# Altium PCB PROC114E3_BRD.PcbDoc (part 9 of 18) (continued)
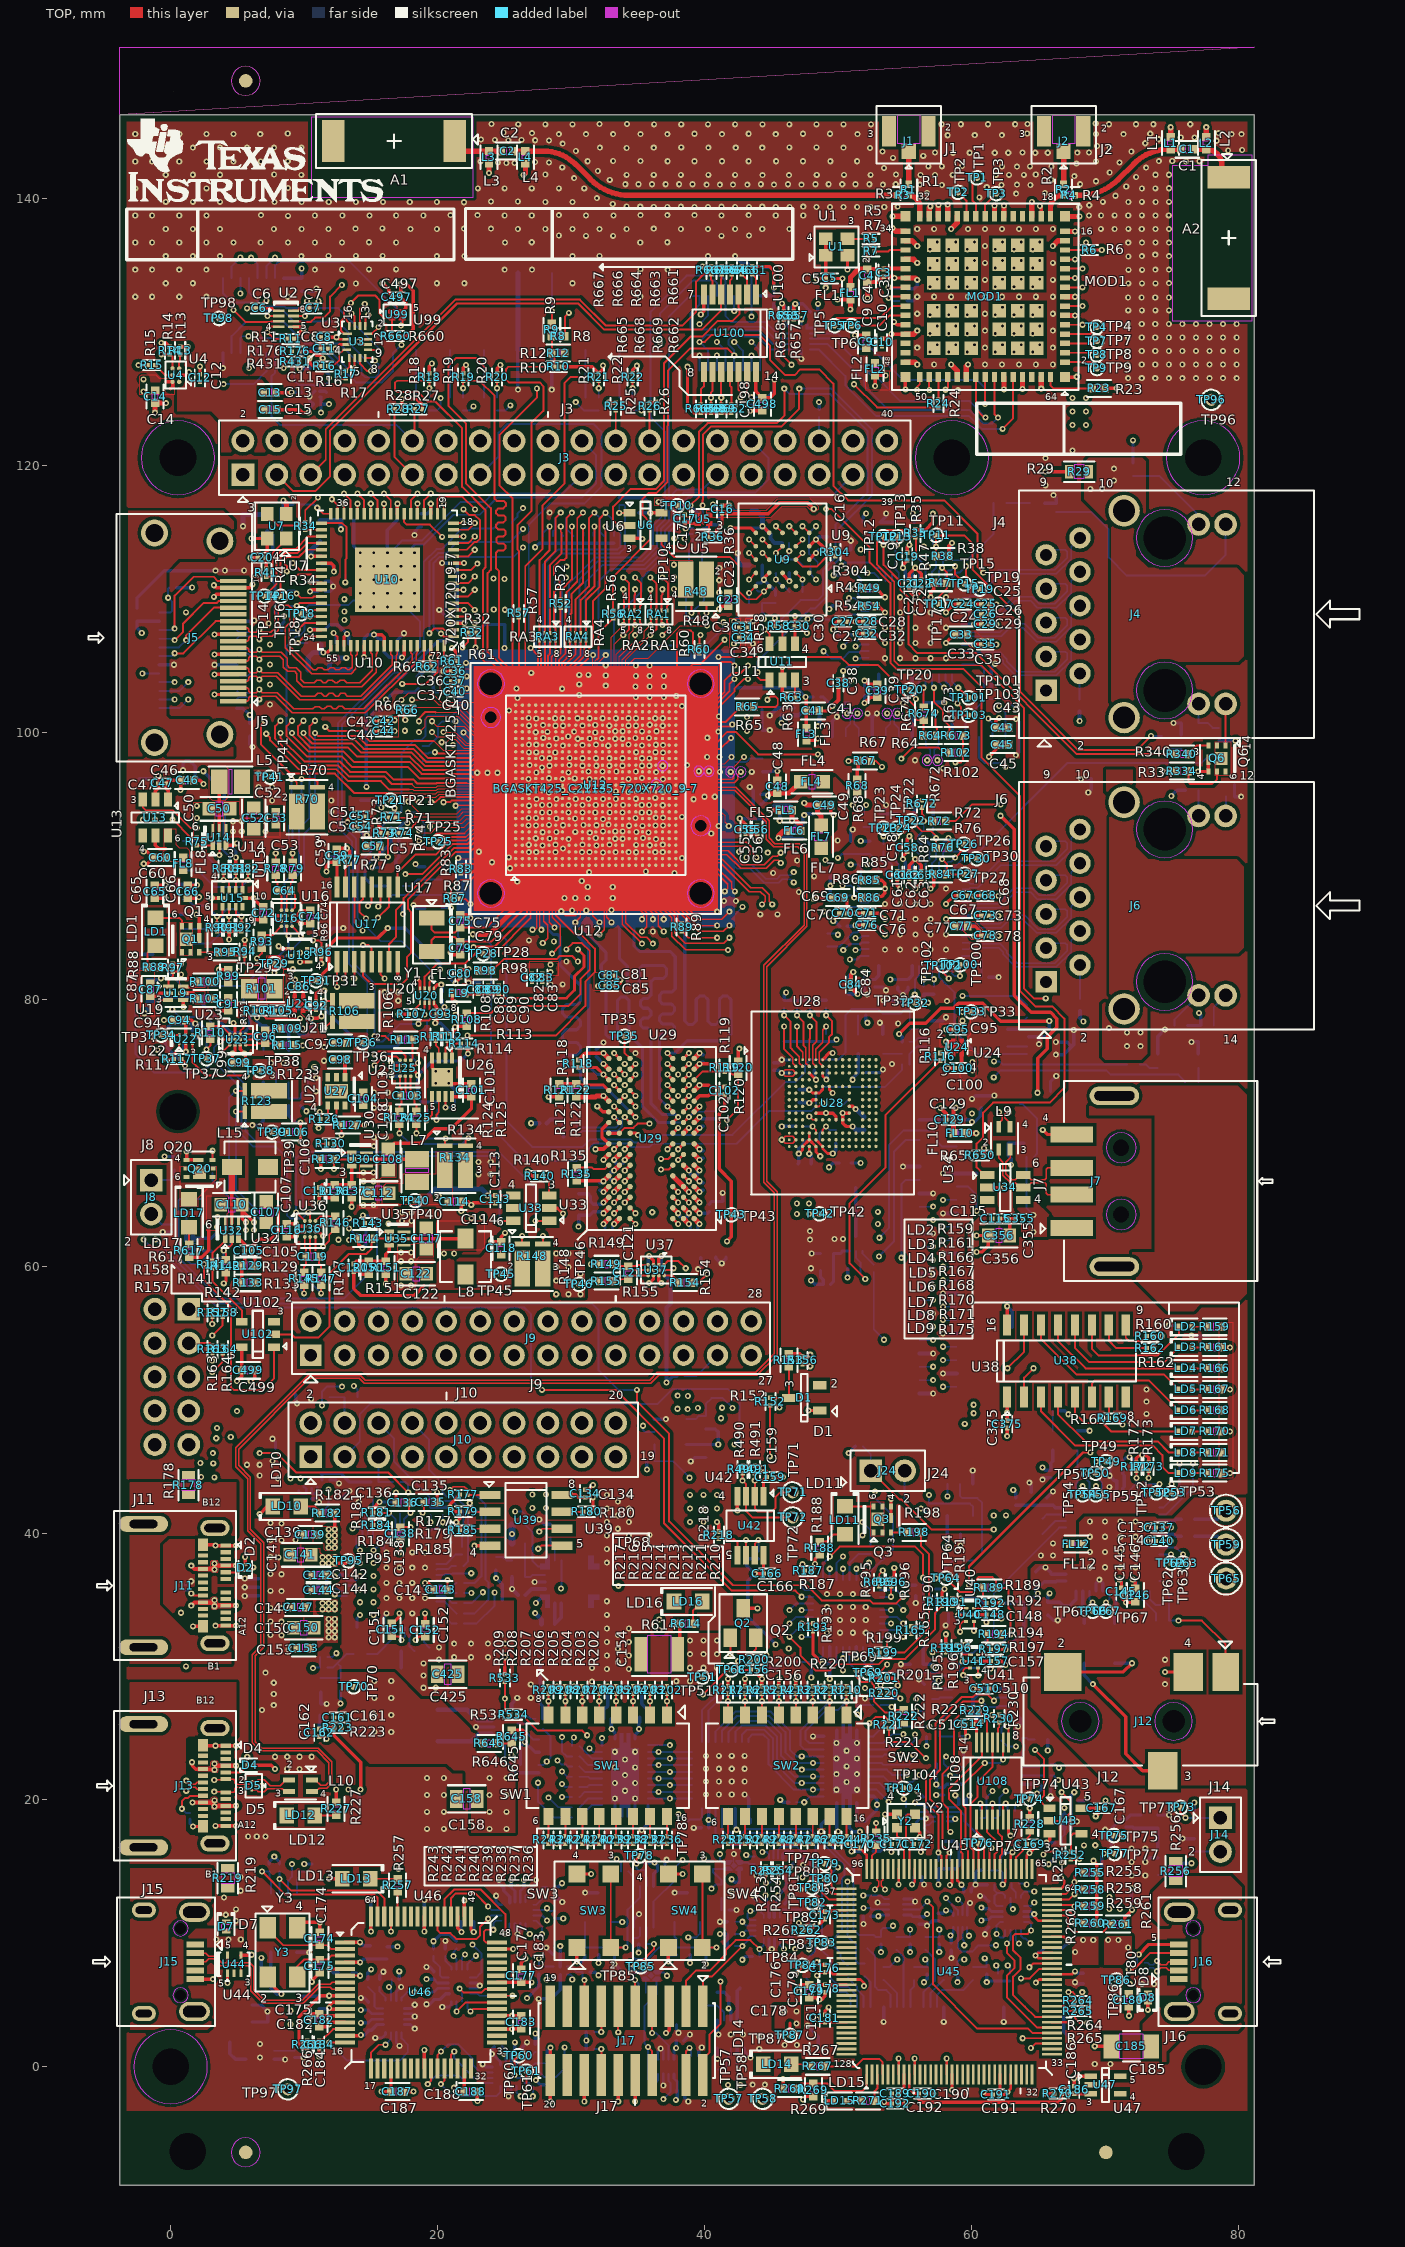
[diagram p0: TOP view]
## Nets (pads, with @x,y where several pads share a name; then routed paths per layer and width w, separated by ;. In a path a pad name is that pad's centre, name@x,y a point inside that pad or via, vN(x,y) a via of type N, cw(c..) or ccw(c..) an arc to the next point about the centre after c; other vN are vias at no path point) (continued)
  BOTTOM w0.147: v1(13.73,51.013) 14.017,50.726 14.017,50.175
MCU_RESETZ:  | length 134
  TOP w0.102: v1(27.423,94.999) 27.44,94.999 27.486,95.045 27.86,95.045
  TOP w0.147: v1(34.914,15.225) 34.914,15.575 35.135,15.797
  L03_SIG1 w0.091: v1(27.423,94.999) 27.328,94.905 26.378,94.905 25.137,93.664 18.816,93.664 17.975,92.823 17.975,90.759 13.57,86.354 13.57,83.607 13.56,83.596 13.56,83.545 10.931,80.916 10.931,76.73 10.125,75.924 10.125,74.943 8.573,73.391 8.573,60.982 7.333,59.742 7.333,49.912 8.411,48.834 8.411,43.843 10.36,41.895 13.351,41.895 16.17,39.075 19.076,39.075 19.623,38.528 19.623,32.577 17.87,30.824 17.87,10.706 21.474,7.102 25.091,7.102 26.246,5.947 28.397,5.947 30.067,7.617 30.067,8.033 31.927,9.893 31.927,12.238 v1(34.914,15.225)
  BOTTOM w0.147: v1(34.914,15.225) 34.914,14.869 35.042,14.741 35.531,14.741 35.531,14.354 35.683,14.201 35.683,13.541
MCU_SAFETY_ERRORZ_1V8:  | length 14.9
  TOP w0.102: 27.361,89.358 27.361,90.045
  TOP w0.147: 19.035,80.712 19.035,80.81 19.038,80.813 19.038,81.511 19.035,81.514 19.035,81.693 20.029,82.687 22.081,82.687 22.811,83.417 23.42,83.417 24.315,83.417 26.963,86.066 26.963,88.961 27.361,89.358
MCU_SAFETY_ERRORZ_3V3:  | length 39.3
  TOP w0.147: v1(19.035,78.852) 19.035,79.812
  L08_SIG2 w0.091: v1(19.035,78.852) 19.035,78.476 19.094,78.416 19.094,72.843 20.513,71.425 20.513,70.71 19.642,69.839 19.642,67.655 22.131,65.165 22.775,65.165 23.903,64.037 27.681,64.037 29.605,62.113 30.372,62.113 35.328,57.158 39.686,57.158 40.977,55.867
MCU_SPI0_CLK:  | length 67.9
  TOP w0.081: 22.01,92.441 22.615,93.045 25.861,93.045
  TOP w0.147: v1(19.376,91.882) 19.935,92.441 22.01,92.441
  L03_SIG1 w0.091: v1(13.367,61.961) 12.592,62.736 12.592,65.243 13.527,66.177 13.527,67.846 13.776,68.095 13.776,70.846 14.599,71.669 14.599,78.67 14.949,79.021 14.949,82.417 18.861,86.328 18.861,86.341 19.03,86.51 19.03,90.832 19.376,91.178 v1(19.376,91.882)
  L08_SIG2 w0.091: v1(13.367,61.961) 13.367,61.517 15.372,59.512 18.339,59.512 19.222,58.629 19.222,56.945 19.228,56.939 19.228,52.807 20.062,51.973 28.732,51.973 29.312,52.553 29.312,54.361 30.817,55.867
MCU_SPI0_CS1:  | length 50.4
  TOP w0.081: v1(18.614,92.656) 18.778,92.492 19.511,92.492 19.902,92.883 21.995,92.883 22.407,93.295 26.11,93.295 26.36,93.545
  L03_SIG1 w0.091: v1(12.579,61.981) 12.313,62.247 12.313,65.446 13.171,66.304 13.171,67.879 13.501,68.209 13.501,71.036 14.324,71.859 14.324,78.894 14.67,79.239 14.67,82.539 18.755,86.624 18.755,91.04 18.99,91.274 18.99,92.28 v1(18.614,92.656)
  L08_SIG2 w0.091: v1(12.579,61.981) 12.579,61.404 18.117,55.867
MCU_SPI0_D0:  | length 46.7
  TOP w0.102: 27.361,94.045 27.361,93.612 v1(27.386,93.587)
  L03_SIG1 w0.091: 15.577,55.867 15.577,64.427 15.579,64.429 15.579,64.741 15.577,64.743 15.577,65.332 16.753,66.507 16.753,70.4 17.105,70.752 17.105,76.436 16.678,76.863 16.678,82.085 20.076,85.484 20.076,85.498 20.105,85.527 20.105,90.261 22.295,92.451 27.309,92.451 27.742,92.884 27.742,93.231 v1(27.386,93.587)
MCU_SPI0_D1:  | length 46.7
  TOP w0.102: v1(26.827,93.587) 26.86,93.62 26.86,94.045
  L03_SIG1 w0.091: 13.037,55.867 13.959,56.788 13.959,64.682 14.666,65.39 14.926,65.39 15.66,66.124 15.66,70.679 15.828,70.847 15.828,73.412 16.041,73.626 16.041,79.336 15.662,79.715 15.662,81.735 19.69,85.763 19.69,90.392 22.298,93 26.24,93 v1(26.827,93.587)
MCU_UART0_CTS:  | length 11.2
  TOP w0.081: 22.315,92.034 22.826,92.545 25.861,92.545
  TOP w0.147: 17.012,88.415 17.012,89.518 18.335,90.841 19.869,90.841 20.936,91.907 22.188,91.907 22.315,92.034
MCU_UART0_CTS_3V3:  | length 92.4
  TOP w0.147: v1(15.559,86.954) 15.712,87.108 15.712,88.415
  L03_SIG1 w0.091: v1(15.559,86.954) 15.559,86.675 15.06,86.176 15.06,84.093 14.467,83.5 14.467,79.506 14.131,79.171 14.131,72.034 13.222,71.125 13.222,68.565 12.831,68.174 12.831,66.574 11.997,65.74 11.997,49.716 11.684,49.403 11.684,45.231 12.567,44.348 13.614,44.348 14.326,43.637 15.621,43.637 16.662,42.596 18.466,42.596 19.939,41.123 19.939,39.577 21.909,37.607 21.909,21.659 22.22,21.347 22.22,18.411 24.644,15.987 25.933,15.987 28.04,13.879 28.04,13.418 28.579,12.879 28.579,10.813 28.114,10.348 27.307,10.348 v1(26.913,9.954)
  BOTTOM w0.147: 26.598,10.741 26.598,10.268 v1(26.913,9.954)
MCU_UART0_CTS_CONN:  | length 39.7
  TOP w0.147: v1(15.533,86.116) 16.362,86.945 16.362,88.415
  L08_SIG2 w0.091: v1(15.533,86.116) 15.208,86.441 14.488,86.441 13.386,85.339 13.386,81.356 15.845,78.897 15.845,74.363 14.878,73.396 14.878,71.455 16.537,69.797 16.537,67.18 21.622,62.095 21.622,57.442 23.197,55.867
MCU_UART0_MUX_OE:  | length 1.9
  TOP w0.147: 13.112,88.415 13.112,89.841 13.425,90.154
MCU_UART0_MUX_SEL:  | length 30.4
  TOP w0.147: v1(12.462,80.932) 12.462,82.815
  L03_SIG1 w0.091: v1(11.088,70.343) 11.088,70.954 12.462,72.328 v1(12.462,80.932)
  L08_SIG2 w0.091: -1.448,63.908 2.775,68.131 9.511,68.131 11.088,69.708 v1(11.088,70.343)
  BOTTOM w0.147: -1.448,63.908 -0.661,63.122 0.053,63.122
MCU_UART0_RTS:  | length 15.7
  TOP w0.081: 22.957,92.295 26.11,92.295 26.36,92.545
  TOP w0.147: v1(14.797,86.987) 14.816,86.987 15.062,87.234 15.062,88.415 ; v1(17.591,89.379) 18.842,89.379 21.091,91.628 22.246,91.628 22.913,92.295 22.957,92.295
  L08_SIG2 w0.091: v1(14.797,86.987) 14.797,87.442 16.776,89.421 17.549,89.421 v1(17.591,89.379)
MCU_UART0_RTS_3V3:  | length 93.3
  TOP w0.147: 13.762,88.415 13.762,85.779 v1(14.39,85.151)
  L03_SIG1 w0.091: v1(14.39,85.151) 13.956,84.717 13.956,82.508 13.386,81.938 13.386,81.38 13.695,81.071 13.695,72.144 11.828,70.277 11.828,69.356 9.912,67.44 9.912,61.435 8.004,59.527 8.004,50.098 8.99,49.112 8.99,45.385 11.058,43.317 11.215,43.317 11.8,42.733 14.265,42.733 15.926,41.072 16.713,41.072 17.805,39.98 18.991,39.98 21.402,37.568 21.402,32.991 20.792,32.381 20.792,22.229 21.834,21.187 21.834,18.207 26.024,14.017 26.024,13.148 v1(28.203,10.968)
  BOTTOM w0.147: 27.198,11.341 27.83,11.341 v1(28.203,10.968)
MCU_UART0_RTS_CONN:  | length 45.5
  TOP w0.147: 14.412,88.415 14.412,87.487 14.145,87.22 14.145,86.564 v1(14.644,86.065)
  L08_SIG2 w0.091: v1(14.644,86.065) 15.025,85.684 15.025,80.732 16.292,79.466 16.292,77.065 16.913,76.443 16.913,71.004 17.586,70.331 17.586,66.741 27.217,57.109 31.41,57.109 31.991,56.528 31.991,54.501 30.817,53.327
MCU_UART0_RX_3V3:  | length 90.1
  TOP w0.147: v1(12.943,81.544) 13.112,81.714 13.112,82.815
  L03_SIG1 w0.091: v1(12.943,81.544) 13.502,80.985 13.502,72.224 8.959,67.681 8.959,60.822 7.766,59.629 7.766,50.064 8.797,49.032 8.797,44.897 9.356,44.338 9.356,43.923 10.205,43.075 11.153,43.075 11.824,42.403 13.451,42.403 16.336,39.519 19.179,39.519 21.209,37.488 21.209,33.071 20.599,32.461 20.599,22.149 21.641,21.107 21.641,16.203 26.405,11.439 26.405,9.93 26.757,9.578 27.451,9.578 v1(27.827,9.954)
  BOTTOM w0.147: 27.198,10.941 27.411,10.941 27.827,10.526 v1(27.827,9.954)
MCU_UART0_RXD:  | length 21.4
  TOP w0.081: 23.194,91.795 26.11,91.795 26.36,92.045
  TOP w0.147: 14.412,82.815 14.412,81.776 15.051,81.138 17.311,81.138 17.729,81.556 17.729,83.177 18.01,83.458 18.01,86.561 17.794,86.777 17.794,87.488 21.35,91.044 22.442,91.044 23.194,91.795
MCU_UART0_RXD_CONN:  | length 34.6
  TOP w0.147: v1(13.762,81.557) 13.762,82.815
  L08_SIG2 w0.091: v1(13.762,81.557) 16.038,79.282 16.038,74.259 15.894,74.116 15.894,70.744 16.771,69.867 16.771,67.226 22.036,61.961 22.036,59.778 24.613,57.201 24.613,54.451 25.737,53.327
MCU_UART0_TX_3V3:  | length 89.6
  TOP w0.147: v1(14.416,84.059) 14.822,84.059 15.062,83.818 15.062,82.815
  L03_SIG1 w0.091: v1(14.416,84.059) 14.162,83.805 14.162,79.639 13.938,79.416 13.938,72.114 12.055,70.231 12.055,69.287 10.686,67.918 10.686,60.991 8.197,58.503 8.197,50.178 9.183,49.192 9.183,45.465 10.493,44.155 13.375,44.155 14.376,43.155 15.418,43.155 17.577,40.996 18.248,40.996 21.675,37.568 21.675,21.619 22.027,21.267 22.027,18.331 24.564,15.794 25.211,15.794 26.963,14.042 26.963,13.123 v1(28.203,11.883)
  BOTTOM w0.147: 27.198,11.741 28.061,11.741 v1(28.203,11.883) 28.412,11.674 28.8,11.674
MCU_UART0_TXD:  | length 15.5
  TOP w0.081: 22.976,91.984 23.037,92.045 25.861,92.045
  TOP w0.147: 16.362,82.815 16.362,84.135 16.878,84.651 16.878,86.674 17.467,87.262 17.467,87.583 21.239,91.355 22.347,91.355 22.976,91.984
MCU_UART0_TXD_CONN:  | length 41.4
  TOP w0.147: 15.712,82.815 15.712,81.882 v1(16.038,81.557)
  L08_SIG2 w0.091: v1(16.038,81.557) 16.485,81.11 16.485,77.145 17.153,76.477 17.153,71.092 17.779,70.466 17.779,66.861 27.285,57.355 33.349,57.355 34.646,56.058 34.646,54.615 33.357,53.327
MFP0:  | length 2.8
  TOP w0.147: v1(72.379,44.129) 72.379,44.688
  BOTTOM w0.147: 71.851,42.652 71.851,43.183 72.379,43.711 v1(72.379,44.129) 72.379,44.688
MFP1:  | length 3
  TOP w0.147: v1(73.293,44.129) 73.293,44.688
  BOTTOM w0.147: 72.351,42.652 72.351,43.174 73.293,44.117 v1(73.293,44.129) 73.293,44.688
MFP2:  | length 2.8
  TOP w0.147: 73.877,43.01 73.877,43.442 v1(74.106,43.67)
  BOTTOM w0.147: 72.851,42.652 72.851,43.197 73.324,43.67 v1(74.106,43.67)
MFP3:  | length 2.9
  TOP w0.147: 74.995,43.01 74.995,43.645 v1(75.02,43.67)
  BOTTOM w0.147: 73.351,42.652 73.351,42.918 73.648,43.216 74.566,43.216 v1(75.02,43.67)
MIC_IN:  | length 10.6
  TOP w0.147: v1(75.528,33.433) 77.284,33.433 79.066,31.651 79.066,29.587
  BOTTOM w0.147: 74.101,36.402 74.67,36.402 74.817,36.254 74.817,34.605 74.817,33.433 v1(75.528,33.433)
MMC0_CLK:  | length 32.8
  TOP w0.102: 38.292,85.125 38.806,84.611 v1(40.959,84.611)
  TOP w0.14: 48.86,69.973 48.86,70.222 v1(49.11,70.472)
  L03_SIG1 w0.091: v1(40.959,84.611) 40.959,83.827 42.076,82.709 42.076,69.581 42.711,68.946 44.428,68.946 44.566,69.084 44.566,69.366 44.705,69.505 44.9,69.505 45.039,69.366 45.039,69.084 45.177,68.946 46.44,68.946 46.563,69.068 46.563,69.56 46.685,69.682 46.859,69.682 46.982,69.56 46.982,69.068 47.105,68.946 47.278,68.946 47.401,69.068 47.401,69.56 47.524,69.682 47.697,69.682 47.82,69.56 47.82,69.068 47.943,68.946 48.579,68.946 49.11,69.477 v1(49.11,70.472)
  BOTTOM w0.147: 48.633,69.383 48.633,69.995 v1(49.11,70.472) 49.385,70.198 49.849,70.198
MMC1_CLK:  | length 31.5
  TOP w0.147: 3.472,85.659 v1(3.472,86.218) 3.739,86.218 3.887,86.365 3.887,86.942 ; 17.438,101.648 17.438,101.07 v1(17.581,100.927)
  L03_SIG1 w0.091: v1(3.472,86.218) 5.323,88.068 5.323,89.037 5.805,89.52 6.492,89.52 6.614,89.397 6.614,89.058 6.737,88.936 6.911,88.936 7.034,89.058 7.034,89.397 7.156,89.52 7.33,89.52 7.453,89.397 7.453,89.058 7.575,88.936 7.749,88.936 7.872,89.058 7.872,89.397 7.994,89.52 9.122,89.52 10.884,91.281 10.884,95.043 15.559,99.718 15.856,99.718 16.656,100.518 17.172,100.518 v1(17.581,100.927)
  BOTTOM w0.147: 0.941,87.467 1.296,87.467 1.743,87.02 2.67,87.02 v1(3.472,86.218) ; 16.875,101.663 17.329,101.663 17.581,101.412 v1(17.581,100.927)
MMC1_CLK_R:  | length 9.6
  TOP w0.081: 17.998,101.648 18.229,101.879 21.462,101.879 23.268,100.073 24.638,100.073 25.359,100.795 26.11,100.795 26.36,100.545
MMC1_CMD:  | length 39
  TOP w0.081: v1(19.579,100.835) 19.947,100.467 21.991,100.467 22.872,99.586 24.985,99.586 25.444,100.045 25.861,100.045
  TOP w0.147: 5.387,88.212 5.387,88.788 5.534,88.936 v1(5.801,88.936) 5.801,89.494
  L03_SIG1 w0.091: v1(5.801,88.936) 5.801,88.093 5.399,87.691 5.399,87.31 5.602,87.107 6.669,87.107 7.126,87.564 7.555,87.564 11.158,91.167 11.158,94.929 15.673,99.444 17.451,99.444 18.15,100.142 18.15,101.016 18.378,101.244 19.17,101.244 v1(19.579,100.835)
  BOTTOM w0.147: 0.941,89.667 2.026,89.667 3.265,88.428 5.293,88.428 v1(5.801,88.936)
MMC1_D0:  | length 39.3
  TOP w0.081: 19.851,101.509 21.553,101.509 23.151,99.911 24.726,99.911 25.36,100.545 25.861,100.545
  TOP w0.147: 4.887,86.942 4.887,86.365 5.034,86.218 v1(5.301,86.218) 5.301,85.659 ; v1(18.614,100.835) 18.614,101.058 19.099,101.544 19.815,101.544 19.851,101.509
  L03_SIG1 w0.091: v1(5.301,86.218) 5.86,85.659 6.72,85.659 7.075,86.015 7.075,86.476 7.568,86.969 7.736,86.969 12.315,91.548 12.315,93.654 12.917,94.257 12.917,95.912 15.9,98.895 18.33,98.895 19.013,99.578 19.013,100.436 v1(18.614,100.835)
  BOTTOM w0.147: 0.941,85.267 3.178,85.267 3.927,86.016 3.927,86.473 4.205,86.751 4.768,86.751 v1(5.301,86.218)
MMC1_D1:  | length 39
  TOP w0.081: v1(18.614,100.022) 19.064,100.473 19.064,101.001 19.272,101.209 21.523,101.209 22.983,99.748 24.865,99.748 25.412,100.295 26.11,100.295 26.36,100.045
  TOP w0.147: 4.387,85.659 v1(4.387,86.218) 4.387,86.942
  L03_SIG1 w0.091: v1(4.387,86.218) 4.387,85.674 4.529,85.532 4.783,85.532 4.925,85.674 4.925,86.502 5.2,86.777 6.988,86.777 7.454,87.243 7.622,87.243 11.433,91.054 11.433,94.815 15.786,99.169 17.76,99.169 v1(18.614,100.022)
  BOTTOM w0.147: 0.941,84.167 2.967,84.167 4.387,85.587 v1(4.387,86.218)
MMC1_D2:  | length 39.9
  TOP w0.102: 26.86,100.045 v1(26.86,100.504)
  TOP w0.147: 4.887,88.212 v1(4.887,88.936) 4.887,89.494
  L03_SIG1 w0.091: v1(4.887,88.936) 4.887,89.311 5.381,89.806 9.021,89.806 10.61,91.395 10.61,95.157 14.577,99.124 14.577,101.038 15.058,101.519 19.498,101.519 21.871,99.146 25.503,99.146 v1(26.86,100.504)
  BOTTOM w0.147: 0.941,91.867 3.23,91.867 4.432,90.664 4.432,89.39 v1(4.887,88.936)
MMC1_D3:  | length 39.1
  TOP w0.102: v1(26.829,101.082) 27.018,100.893 27.018,100.887 27.163,100.742 27.361,100.545
  TOP w0.147: 3.972,89.494 v1(3.972,88.936) 4.24,88.936 4.387,88.788 4.387,88.212
  L03_SIG1 w0.091: v1(3.972,88.936) 4.655,89.619 4.806,89.619 5.267,90.08 8.907,90.08 10.335,91.509 10.335,95.271 14.303,99.238 14.303,101.152 14.944,101.793 19.618,101.793 21.848,99.563 25.31,99.563 v1(26.829,101.082)
  BOTTOM w0.147: 1.341,90.767 2.653,90.767 3.972,89.448 v1(3.972,88.936)
MMC1_SD_EN:  | length 102.6
  TOP w0.147: v1(-0.392,75.518) 0.22,75.518 0.22,75.91 0.635,76.324 0.635,76.739
  L03_SIG1 w0.091: v1(-0.392,75.518) 0.573,74.552 1.749,74.552 3.343,72.958 3.343,69.535 -0.105,66.087 -0.105,42.217 1.157,40.955 v1(1.157,30.008)
  L08_SIG2 w0.091: v1(1.157,30.008) 5.961,30.008 7.568,28.4 10.988,28.4 14.953,32.365 28.667,32.365 29.739,33.437 34.61,33.437 35.842,32.205 38.33,32.205 38.749,32.624 45.779,32.624 v1(46.376,33.221)
  BOTTOM w0.147: v1(46.376,33.221) 46.876,33.722 48.142,33.722
MMC1_SD_LS_EN:  | length 23.6
  TOP w0.147: -2.093,94.965 -2.093,94.391 -1.869,94.168 0.17,94.168 1.503,92.835 v1(1.965,92.835) ; 1.635,77.314 1.914,77.314 2.053,77.175 v1(2.198,77.175)
  L03_SIG1 w0.091: v1(1.965,92.835) 1.965,91.978 0.618,90.632 0.618,84.421 2.411,82.629 2.411,77.388 v1(2.198,77.175)
  BOTTOM w0.147: 1.622,77.06 2.083,77.06 v1(2.198,77.175)
MMC1_SDCD:  | length 39.6
  TOP w0.102: 27.361,98.045 27.759,98.045 27.801,98.087 v1(27.821,98.087)
  TOP w0.147: 10.356,83.797 11.292,83.797 11.292,84.254 11.124,84.422 v1(10.663,84.422)
  L03_SIG1 w0.091: v1(10.663,84.422) 10.41,84.422 10.147,84.159 10.147,83.908 10.377,83.678 10.631,83.678 11.241,84.287 11.241,84.839 11.118,84.961 10.618,84.961 10.496,85.084 10.496,85.258 10.618,85.381 11.118,85.381 11.241,85.503 11.241,85.811 11.139,85.913 10.834,85.913 10.733,86.015 10.733,87.005 10.858,87.131 10.988,87.131 11.299,86.82 11.553,86.82 11.701,86.969 11.701,87.142 11.297,87.547 11.297,87.72 11.42,87.843 11.593,87.843 11.998,87.439 12.171,87.439 12.366,87.633 12.366,87.807 12.23,87.942 12.23,88.116 12.354,88.239 12.527,88.239 12.662,88.103 12.836,88.103 12.959,88.226 12.959,88.399 12.823,88.535 12.823,88.708 12.946,88.832 13.12,88.832 13.255,88.696 13.428,88.696 13.623,88.891 13.623,90.301 15.127,91.805 15.127,92.555 14.756,92.926 14.756,94.166 17.501,96.911 21.985,96.911 22.696,97.622 26.252,97.622 26.717,98.087 v1(27.821,98.087)
  BOTTOM w0.147: v1(10.663,84.422) 10.663,86.124 10.906,86.367 12.026,86.367
MMC2_CLK:  | length 27.5
  TOP w0.147: 26.09,109.203 26.09,113.613 26.007,113.696 26.007,115.555 27.037,116.585 27.037,123.194 27.94,124.097 27.94,125.944 27.649,126.235 25.345,126.235 25.139,126.44 25.139,127.229 25.315,127.406 28.774,127.406 28.774,128.212 28.564,128.422 28.564,129.692
MMC2_CLK_WL:  | length 63.1
  TOP w0.147: 29.544,129.692 29.544,131.144 v1(29.845,131.445) ; 67.016,131.954 v1(68.336,131.954)
  L03_SIG1 w0.091: v1(29.845,131.445) 31.584,133.184 38.527,133.184 38.665,133.045 38.665,132.616 38.804,132.477 38.999,132.477 39.138,132.616 39.138,133.045 39.276,133.184 39.472,133.184 39.61,133.045 39.61,132.616 39.748,132.477 39.944,132.477 40.082,132.616 40.082,133.045 40.221,133.184 40.416,133.184 40.555,133.045 40.555,132.616 40.693,132.477 40.889,132.477 41.027,132.616 41.027,133.045 41.166,133.184 41.361,133.184 41.5,133.045 41.5,132.616 41.638,132.477 41.834,132.477 41.972,132.616 41.972,133.045 42.111,133.184 42.306,133.184 42.445,133.045 42.445,132.616 42.583,132.477 42.779,132.477 42.917,132.616 42.917,133.045 43.056,133.184 43.251,133.184 43.39,133.045 43.39,132.616 43.528,132.477 43.724,132.477 43.862,132.616 43.862,133.045 44,133.184 44.601,133.184 45.007,132.777 47.182,132.777 49.52,130.439 51.649,130.439 55.663,126.426 67.248,126.426 v1(68.604,125.069)
  L08_SIG2 w0.091: v1(68.336,131.954) 68.336,131.248 67.895,130.807 67.895,130.783 67.757,130.645 67.525,130.645 67.387,130.506 67.387,130.311 67.525,130.172 67.757,130.172 67.895,130.034 67.895,129.838 67.757,129.7 67.525,129.7 67.387,129.561 67.387,129.366 67.525,129.227 67.757,129.227 67.895,129.089 67.895,128.893 67.757,128.755 67.525,128.755 67.387,128.616 67.387,128.421 67.525,128.282 67.757,128.282 67.895,128.144 67.895,127.948 67.757,127.81 67.525,127.81 67.387,127.672 67.387,127.476 67.525,127.338 68.386,127.338 68.604,127.119 v1(68.604,125.069)
MMC2_CMD:  | length 34.8
  TOP w0.081: 26.612,102.674 26.612,101.794 26.86,101.545
  TOP w0.147: v1(24.464,125.798) 24.464,126.357 24.011,126.357 23.622,126.746 23.622,127.292 22.867,128.047 21.367,128.047 20.828,127.508 20.828,124.46 22.12,123.168 22.12,118.689 24.003,116.806 24.003,112.18 23.759,111.936 23.759,106.035 26.612,103.182 26.612,102.674
  BOTTOM w0.147: 24.464,125.099 v1(24.464,125.798)
MMC2_CMD_WL:  | length 63
  TOP w0.147: 67.016,130.554 v1(68.336,130.554)
  L03_SIG1 w0.091: v1(25.457,124.51) 24.593,124.51 24,125.103 24,126.078 24.329,126.407 44.002,126.407 45.212,125.197 50.066,125.197 51.25,124.013 58.782,124.013 59.915,125.146 61.854,125.146 62.103,124.897 66.745,124.897 v1(67.588,124.053)
  L08_SIG2 w0.091: v1(67.588,124.053) 68.056,124.521 69.315,124.521 69.506,124.711 69.506,125.53 69.367,125.669 69.044,125.669 68.905,125.807 68.905,126.003 69.044,126.141 69.367,126.141 69.506,126.279 69.506,126.475 69.367,126.613 69.044,126.613 68.905,126.752 68.905,126.947 69.044,127.086 69.367,127.086 69.506,127.224 69.506,127.684 69.365,127.825 68.553,127.825 68.336,128.041 68.336,128.399 68.475,128.538 68.714,128.538 68.853,128.676 68.853,128.872 68.714,129.01 68.475,129.01 68.336,129.149 68.336,129.344 68.475,129.483 68.714,129.483 68.853,129.621 68.853,129.817 68.714,129.955 68.475,129.955 68.336,130.093 v1(68.336,130.554)
  BOTTOM w0.147: 24.464,124.119 25.066,124.119 v1(25.457,124.51)
MMC2_D0:  | length 34.4
  TOP w0.081: 25.574,101.979 25.758,101.795 26.11,101.795 26.36,101.545
  TOP w0.147: v1(19.384,125.798) 19.384,126.357 16.969,126.357 16.81,126.198 16.81,125.657 16.969,125.499 18.568,125.499 19.267,124.8 19.829,124.8 21.844,122.785 21.844,118.403 23.595,116.652 23.595,112.372 23.391,112.168 23.391,105.461 23.613,105.239 24.047,105.239 25.146,104.14 25.146,102.407 25.574,101.979
  BOTTOM w0.147: 19.384,125.099 v1(19.384,125.798)
MMC2_D0_WL:  | length 62.4
  TOP w0.147: 67.016,133.354 v1(68.336,133.354)
  L03_SIG1 w0.091: v1(20.232,125.054) 22.203,127.025 49.316,127.025 51.66,124.681 58.675,124.681 60.132,126.139 66.519,126.139 v1(67.588,125.069)
  L08_SIG2 w0.091: v1(67.588,125.069) 67.019,125.639 67.019,132.456 67.918,133.354 v1(68.336,133.354)
  BOTTOM w0.147: 19.384,124.119 19.958,124.119 20.232,124.394 v1(20.232,125.054)
MMC2_D1:  | length 32.7
  TOP w0.081: 26.86,102.045 26.86,102.679
  TOP w0.147: v1(21.924,125.798) 21.924,126.357 23.141,126.357 24.274,125.223 24.274,117.505 24.429,117.35 24.963,117.35 25.118,117.195 25.118,116.976 24.938,116.797 24.558,116.797 24.392,116.63 24.392,116.416 24.539,116.268 24.963,116.268 25.11,116.121 25.11,115.912 24.938,115.74 24.558,115.74 24.392,115.573 24.392,115.359 24.539,115.212 24.963,115.212 25.11,115.064 25.11,114.856 24.938,114.683 24.558,114.683 24.414,114.539 24.414,114.287 24.546,114.155 24.963,114.155 25.11,114.008 25.11,113.799 24.963,113.652 24.553,113.652 24.382,113.481 24.382,112.308 24.615,112.075 24.615,105.56 26.86,103.314 26.86,102.679
  BOTTOM w0.147: 21.924,125.099 v1(21.924,125.798)
MMC2_D1_WL:  | length 63.4
  TOP w0.147: 67.016,134.054 v1(67.778,134.054)
  L03_SIG1 w0.091: v1(22.692,124.437) 22.692,125.503 23.87,126.681 44.286,126.681 44.983,125.984 45.517,125.984 45.695,126.162 49.593,126.162 51.468,124.287 58.669,124.287 59.832,125.451 61.951,125.451 62.23,125.171 66.897,125.171 67.639,124.429 68.228,124.429 v1(68.604,124.053)
  L08_SIG2 w0.091: v1(67.778,134.054) 68.205,134.054 69.158,133.101 69.158,128.485 69.833,127.81 69.833,124.471 69.416,124.053 v1(68.604,124.053)
  BOTTOM w0.147: 21.924,124.119 22.375,124.119 v1(22.692,124.437)
MMC2_D2:  | length 31.3
  TOP w0.102: v1(27.399,101.045) 27.86,101.045
  TOP w0.147: v1(27.022,104.467) 26.576,104.913 26.576,112.452 27.858,113.734 27.858,116.984 29.514,118.641 29.514,126.17 29.99,126.645 31.454,126.645 31.743,126.357 32.084,126.357 v1(32.084,125.798)
  L08_SIG2 w0.091: v1(27.022,104.467) 27.399,104.089 v1(27.399,101.045)
  BOTTOM w0.147: 32.084,125.099 v1(32.084,125.798)
MMC2_D2_WL:  | length 62.6
  TOP w0.147: 67.016,134.754 v1(68.336,134.754)
  L03_SIG1 w0.091: v1(30.359,124.752) 30.763,124.348 34.394,124.348 36.178,126.132 43.779,126.132 45.534,124.377 50.472,124.377 51.141,123.708 58.989,123.708 59.41,124.13 61.849,124.13 62.037,124.318 66.308,124.318 v1(67.588,123.037)
  L08_SIG2 w0.091: v1(67.588,123.037) 68.031,123.48 69.635,123.48 70.194,124.038 70.194,128.332 70.103,128.424 69.608,128.424 69.432,128.599 69.432,128.848 69.608,129.023 70.227,129.023 70.402,129.199 70.402,129.447 70.227,129.623 69.608,129.623 69.432,129.798 69.432,130.046 69.608,130.222 70.227,130.222 70.402,130.398 70.402,130.646 70.227,130.821 69.608,130.821 69.432,130.997 69.432,131.245 69.608,131.421 70.227,131.421 70.402,131.596 70.402,131.845 70.227,132.02 69.608,132.02 69.432,132.196 69.432,133.658 v1(68.336,134.754)
  BOTTOM w0.147: v1(30.359,124.752) 30.992,124.119 32.084,124.119
MMC2_D3:  | length 35.5
  TOP w0.081: 27.111,102.743 27.111,101.795 27.361,101.545
  TOP w0.147: 27.111,102.743 27.111,103.445 25.618,104.938 25.618,117.562 24.638,118.542 24.638,122.278 27.445,125.085 v1(27.445,125.769) ; v1(34.624,125.798) 34.624,126.357
  L03_SIG1 w0.091: v1(27.445,125.769) 28.062,125.153 33.978,125.153 v1(34.624,125.798)
  BOTTOM w0.147: 34.624,125.099 v1(34.624,125.798)
MMC2_D3_WL:  | length 63.2
  TOP w0.147: 67.016,135.454 v1(67.778,135.454)
  L03_SIG1 w0.091: v1(35.289,124.119) 37.028,125.858 43.666,125.858 45.42,124.103 50.358,124.103 51.028,123.434 51.073,123.434 51.078,123.429 60.467,123.429 60.731,123.165 62.306,123.165 62.484,123.342 62.484,123.873 62.611,124 63.313,124 63.488,123.825 63.488,122.817 63.664,122.641 63.912,122.641 64.088,122.817 64.088,123.825 64.263,124 64.511,124 64.687,123.825 64.687,122.817 64.862,122.641 65.111,122.641 65.286,122.817 65.286,123.825 65.462,124 65.71,124 65.886,123.825 65.886,122.817 66.224,122.479 68.046,122.479 v1(68.604,123.037)
  L08_SIG2 w0.091: v1(67.778,135.454) 70.005,135.454 70.677,134.783 70.677,126.197 70.474,125.994 70.474,124.216 70.855,123.835 70.855,121.93 70.597,121.672 68.776,121.672 68.604,121.844 v1(68.604,123.037)
  BOTTOM w0.147: 34.624,124.119 v1(35.289,124.119)
N15835426:  | length 2.6
  TOP w0.147: 30.42,67.388 31.588,67.388 31.682,67.295 32.563,67.295 32.834,67.566
N15835430:  | length 1.8
  TOP w0.147: 33.999,77.226 33.999,76 34.434,75.566
N15952254:  | length 1.5
  TOP w0.147: 50.724,136.994 50.726,136.992 52.21,136.992
N16800246:  | length 2
  BOTTOM w0.147: 68.122,102.465 68.122,104.393 68.147,104.418
N16839912:  | length 2.8
  TOP w0.147: 7.875,89.304 7.875,88.847 8.02,88.702 8.02,88.143 8.02,88.1 8.301,87.819 8.301,86.669
N16839940:  | length 2.8
  TOP w0.147: 5.622,77.385 6.773,77.385 7.054,77.666 7.097,77.666 7.629,77.666 7.774,77.811 8.258,77.811
N16839975:  | length 2.8
  TOP w0.147: 17.991,74.235 17.991,73.085 18.272,72.804 18.272,72.761 18.272,72.228 18.417,72.083 18.417,71.6
N16856152:  | length 4.7
  TOP w0.147: 9.486,6.723 9.486,7.526 9.999,8.039 11.18,8.039 11.752,8.039 12.035,8.323 13.059,8.323
N16856224:  | length 6.5
  TOP w0.147: 7.285,10.423 7.285,10.265 8.444,9.106 11.18,9.106 11.746,9.106 12.03,8.823 13.059,8.823
N16857368:  | length 1.6
  BOTTOM w0.147: 7.748,1.199 9.254,1.199 9.31,1.255
N16878333:  | length 1.2
  BOTTOM w0.147: 15.66,5.979 15.66,5.624 16.102,5.182 16.102,4.97
N16878339:  | length 2.4
  BOTTOM w0.147: 14.784,5.979 15.267,5.497 15.267,4.519 15.416,4.37 15.902,4.37
N16878497:  | length 2.7
  TOP w0.14: 48.36,71.972 48.61,71.972 v1(48.86,72.222)
  BOTTOM w0.147: v1(48.86,72.222) 49.05,72.032 49.656,72.032 50.344,72.032 50.712,72.4
N16887346:  | length 15.5
  TOP w0.081: 31.361,90.545 31.611,90.295 31.611,89.778 31.744,89.645
  TOP w0.102: v1(31.147,86.66) 31.665,87.178 31.665,89.048 31.744,89.126 31.744,89.645
  TOP w0.147: 24.075,82.128 24.964,83.017 28.923,83.017 29.151,83.246 30.097,83.246 v1(30.515,82.828)
  L08_SIG2 w0.091: v1(30.515,82.828) 30.926,83.239 30.926,85.154 31.147,85.375 v1(31.147,86.66)
N16893179:  | length 1.2
  BOTTOM w0.147: 27.198,12.141 27.41,12.141 27.852,12.583 28.207,12.583
N16893185:  | length 2.4
  BOTTOM w0.147: 26.598,12.341 26.598,12.828 26.76,12.99 27.395,12.99 27.878,13.472 28.207,13.472
N16894003:  | length 1.2
  BOTTOM w0.147: 20.588,8.29 20.588,7.935 21.03,7.493 21.03,7.281
N16894009:  | length 2.4
  BOTTOM w0.147: 19.699,8.29 19.699,7.96 20.182,7.478 20.182,6.843 20.344,6.681 20.83,6.681
N16906426:  | length 4.5
  BOTTOM w0.147: 16.405,87.143 16.405,87.623 16.595,87.813 19.039,87.813 20.309,87.813
N16906432:  | length 3.1
  BOTTOM w0.147: 17.405,88.493 18.011,88.493 18.485,88.966 19.039,88.966 20.309,88.966
N16925380:  | length 21.1
  TOP w0.147: v1(35.837,96.002) 35.853,96.018 35.853,96.022 35.86,96.029 35.86,96.545 ; 52.519,97.864 52.859,97.864 v1(53.303,97.419)
  L03_SIG1 w0.091: v1(35.837,96.002) 35.837,95.835 36.184,95.489 36.443,95.489 36.742,95.19 37.037,95.19 38.057,96.21 38.148,96.302 38.724,96.302 38.952,96.073 41.416,96.073 41.94,95.549 43.972,95.549 45.106,96.683 49.595,96.683 49.728,96.549 52.433,96.549 v1(53.303,97.419)
N16927060:  | length 1.3
  TOP w0.147: 20.494,106.49 20.494,105.641 20.791,105.344
N16927228:  | length 1.6
  TOP w0.147: 18.935,104.938 18.935,105.436 18.995,105.496 18.995,106.49
N16927289:  | length 2.6
  TOP w0.147: v1(10.986,116.842) 11.438,116.39 11.995,116.39
  BOTTOM w0.147: 9.717,117.079 10.749,117.079 v1(10.986,116.842)
N16929458:  | length 2.6
  TOP w0.147: 75.879,37.741 v1(75.879,38.401)
  BOTTOM w0.147: 74.101,38.902 75.379,38.902 v1(75.879,38.401)
N16929460:  | length 1.5
  TOP w0.147: 74.964,37.741 v1(74.964,38.401)
  BOTTOM w0.147: 74.101,38.401 v1(74.964,38.401)
N16929474:  | length 1.8
  BOTTOM w0.147: 69.367,44.231 69.813,43.785 69.813,42.689 69.851,42.652
N16929699:  | length 1.4
  TOP w0.147: 74.381,40.401 v1(74.964,40.401)
  BOTTOM w0.147: 74.101,40.401 v1(74.964,40.401)
N16929703:  | length 1.4
  TOP w0.147: 74.381,39.401 v1(74.964,39.401)
  BOTTOM w0.147: 74.101,39.401 v1(74.964,39.401)